# KiCad board Kimiro.kicad_pcb (continued)
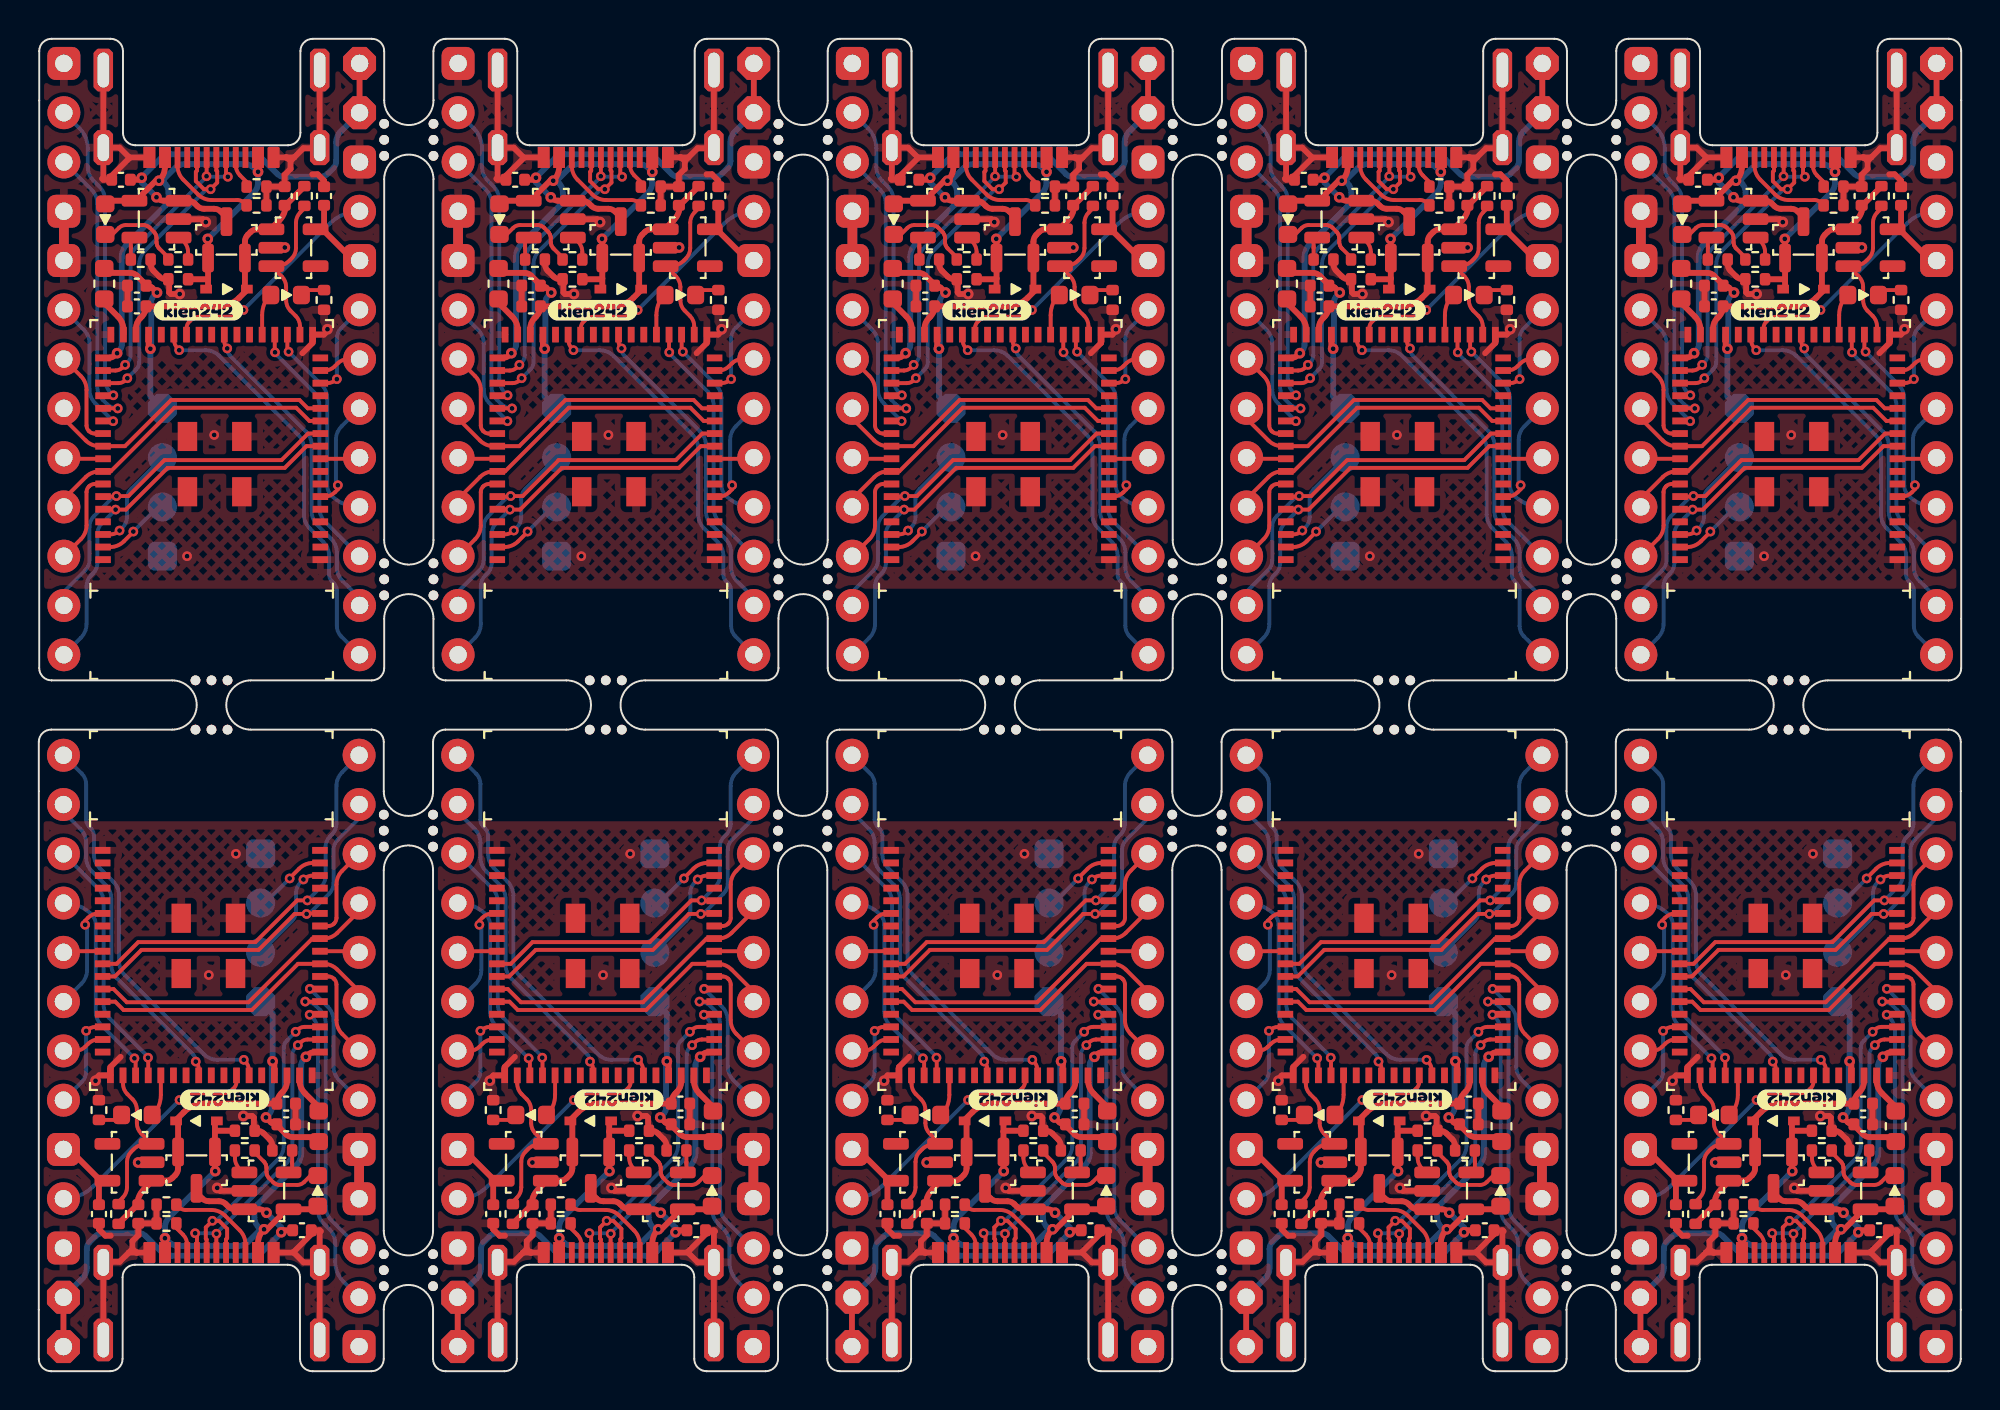
[diagram p0: board, top side]
## Routing (per net, layer and track width the routed paths; a pad name or vN(x,y) marks a point on that pad's centre or on a via; arc(x,y) is an arc through that point) (continued)
021: length 154.6
  Top w0.2: J10.8 21.61,49.1 22.74,47.98 arc(23.06,47.76) 23.45,47.68 U7.42 24.76,47.68 27.14,50.06 33.75,50.06 34.18,49.63 U7.13 ; J3#2.8 1.29,49.1 2.42,47.98 arc(2.74,47.76) 3.13,47.68 U3#2.42 4.44,47.68 6.82,50.06 13.43,50.06 13.86,49.63 U3#2.13 ; U6.13 24.26,19.05 24.69,18.62 31.3,18.62 33.68,21 U6.42 35,21 arc(35.38,20.92) 35.7,20.71 36.83,19.58 J9.8 ; U12.13 44.58,19.05 45.01,18.62 51.62,18.62 54,21 U12.42 55.32,21 arc(55.7,20.92) 56.02,20.71 57.15,19.58 J17.8 ; J34.8 82.57,49.1 83.7,47.98 arc(84.02,47.76) 84.41,47.68 U25.42 85.72,47.68 88.1,50.06 94.71,50.06 95.14,49.63 U25.13 ; J33.8 97.79,19.58 96.66,20.71 arc(96.34,20.92) 95.96,21 U24.42 94.64,21 92.26,18.62 85.65,18.62 85.22,19.05 U24.13 ; J3.8 16.51,19.58 15.38,20.71 arc(15.06,20.92) 14.68,21 U3.42 13.36,21 10.98,18.62 4.37,18.62 3.94,19.05 U3.13 ; J25.8 77.47,19.58 76.34,20.71 arc(76.02,20.92) 75.64,21 U18.42 74.32,21 71.94,18.62 65.33,18.62 64.9,19.05 U18.13 ; U13.13 54.5,49.63 54.07,50.06 47.46,50.06 45.08,47.68 U13.42 43.77,47.68 arc(43.38,47.76) 43.06,47.98 41.93,49.1 J18.8 ; J26.8 62.25,49.1 63.38,47.98 arc(63.7,47.76) 64.09,47.68 U19.42 65.4,47.68 67.78,50.06 74.39,50.06 74.82,49.63 U19.13
022: length 48.3
  Top w0.2: J25.11 76.59,25.79 arc(76.38,25.47) 76.3,25.09 76.3,23.37 arc(76.27,23.21) 76.18,23.08 76.17,23.07 arc(76.04,22.98) 75.88,22.95 U18.45 ; U3#2.45 2.88,45.73 arc(2.72,45.7) 2.59,45.62 2.58,45.6 arc(2.49,45.47) 2.46,45.32 2.46,43.59 arc(2.38,43.21) 2.17,42.89 J3#2.11 ; U25.45 84.16,45.73 arc(84,45.7) 83.87,45.62 83.86,45.6 arc(83.77,45.47) 83.74,45.32 83.74,43.59 arc(83.66,43.21) 83.45,42.89 J34.11 ; U6.45 35.24,22.95 arc(35.4,22.98) 35.53,23.07 35.54,23.08 arc(35.63,23.21) 35.66,23.37 35.66,25.09 arc(35.74,25.47) 35.95,25.79 J9.11 ; U19.45 63.84,45.73 arc(63.68,45.7) 63.55,45.62 63.54,45.6 arc(63.45,45.47) 63.42,45.32 63.42,43.59 arc(63.34,43.21) 63.13,42.89 J26.11 ; U12.45 55.56,22.95 arc(55.72,22.98) 55.85,23.07 55.86,23.08 arc(55.95,23.21) 55.98,23.37 55.98,25.09 arc(56.06,25.47) 56.27,25.79 J17.11 ; J10.11 22.49,42.89 arc(22.7,43.21) 22.78,43.59 22.78,45.32 arc(22.81,45.47) 22.9,45.6 22.91,45.62 arc(23.04,45.7) 23.2,45.73 U7.45 ; U3.45 14.92,22.95 arc(15.08,22.98) 15.21,23.07 15.22,23.08 arc(15.31,23.21) 15.34,23.37 15.34,25.09 arc(15.42,25.47) 15.63,25.79 J3.11 ; U13.45 43.52,45.73 arc(43.36,45.7) 43.23,45.62 43.22,45.6 arc(43.13,45.47) 43.1,45.32 43.1,43.59 arc(43.02,43.21) 42.81,42.89 J18.11 ; U24.45 96.2,22.95 arc(96.36,22.98) 96.49,23.07 96.5,23.08 arc(96.59,23.21) 96.62,23.37 96.62,25.09 arc(96.7,25.47) 96.91,25.79 J33.11
023: length 20.4
  Top w0.2: U18.43 77.41,21.65 J25.9 ; U13.43 41.99,47.03 J18.9 ; J10.9 21.67,47.03 U7.43 ; U12.43 57.09,21.65 J17.9 ; J9.9 36.77,21.65 U6.43 ; U25.43 82.63,47.03 J34.9 ; U19.43 62.31,47.03 J26.9 ; U3.43 16.45,21.65 J3.9 ; J3#2.9 1.35,47.03 U3#2.43 ; U24.43 97.73,21.65 J33.9
024: length 193.1
  Top w0.2: U18.11 64.88,20.35 66.25,21.72 72.29,21.72 74.14,23.57 v2(74.76,23.57) 74.79,23.6 U18.46 ; U19.11 74.84,48.33 73.47,46.96 67.43,46.96 65.58,45.11 v2(64.96,45.11) 64.93,45.08 U19.46 ; U3.11 3.92,20.35 5.29,21.72 11.33,21.72 13.18,23.57 v2(13.8,23.57) 13.83,23.6 U3.46 ; U24.46 95.11,23.6 v2(95.08,23.57) 94.46,23.57 92.61,21.72 86.57,21.72 85.2,20.35 U24.11 ; U6.46 34.15,23.6 v2(34.12,23.57) 33.5,23.57 31.65,21.72 25.61,21.72 24.24,20.35 U6.11 ; U25.46 85.25,45.08 v2(85.28,45.11) 85.9,45.11 87.75,46.96 93.79,46.96 95.16,48.33 U25.11 ; U12.46 54.47,23.6 v2(54.44,23.57) 53.82,23.57 51.97,21.72 45.93,21.72 44.56,20.35 U12.11 ; U7.46 24.29,45.08 v2(24.32,45.11) 24.94,45.11 26.79,46.96 32.83,46.96 34.2,48.33 U7.11 ; U3#2.46 3.97,45.08 v2(4,45.11) 4.62,45.11 6.47,46.96 12.51,46.96 13.88,48.33 U3#2.11 ; U13.46 44.61,45.08 v2(44.64,45.11) 45.26,45.11 47.11,46.96 53.15,46.96 54.52,48.33 U13.11
  Bottom w0.2: v2(54.44,23.57) 54.56,23.57 55.61,24.62 arc(55.77,24.86) 55.83,25.15 55.83,26.87 arc(55.89,27.15) 56.05,27.4 57.15,28.5 J17.12 ; J3#2.12 1.29,40.18 2.39,41.28 arc(2.55,41.53) 2.61,41.81 2.61,43.53 arc(2.67,43.82) 2.83,44.06 3.88,45.11 v2(4,45.11) ; v2(13.8,23.57) 13.92,23.57 14.97,24.62 arc(15.13,24.86) 15.19,25.15 15.19,26.87 arc(15.25,27.15) 15.41,27.4 16.51,28.5 J3.12 ; v2(95.08,23.57) 95.2,23.57 96.25,24.62 arc(96.41,24.86) 96.47,25.15 96.47,26.87 arc(96.53,27.15) 96.69,27.4 97.79,28.5 J33.12 ; v2(24.32,45.11) 24.2,45.11 23.15,44.06 arc(22.99,43.82) 22.93,43.53 22.93,41.81 arc(22.87,41.53) 22.71,41.28 21.61,40.18 J10.12 ; J25.12 77.47,28.5 76.37,27.4 arc(76.21,27.15) 76.15,26.87 76.15,25.15 arc(76.09,24.86) 75.93,24.62 74.88,23.57 v2(74.76,23.57) ; v2(34.12,23.57) 34.24,23.57 35.29,24.62 arc(35.45,24.86) 35.51,25.15 35.51,26.87 arc(35.57,27.15) 35.73,27.4 36.83,28.5 J9.12 ; J18.12 41.93,40.18 43.03,41.28 arc(43.19,41.53) 43.25,41.81 43.25,43.53 arc(43.31,43.82) 43.47,44.06 44.52,45.11 v2(44.64,45.11) ; v2(85.28,45.11) 85.16,45.11 84.11,44.06 arc(83.95,43.82) 83.89,43.53 83.89,41.81 arc(83.83,41.53) 83.67,41.28 82.57,40.18 J34.12 ; J26.12 62.25,40.18 63.35,41.28 arc(63.51,41.53) 63.57,41.81 63.57,43.53 arc(63.63,43.82) 63.79,44.06 64.84,45.11 v2(64.96,45.11)
100: length 210.1
  Top w0.2: U18.10 64.97,21 66.08,22.12 72.12,22.12 74.27,24.27 v2(74.8,24.27) 74.82,24.25 U18.47 ; U3.47 13.86,24.25 v2(13.84,24.27) 13.31,24.27 11.16,22.12 5.12,22.12 4.01,21 U3.10 ; U25.10 95.07,47.68 93.96,46.56 87.92,46.56 85.77,44.41 v2(85.24,44.41) 85.22,44.43 U25.47 ; U7.10 34.11,47.68 33,46.56 26.96,46.56 24.81,44.41 v2(24.28,44.41) 24.26,44.43 U7.47 ; U24.10 85.29,21 86.4,22.12 92.44,22.12 94.59,24.27 v2(95.12,24.27) 95.14,24.25 U24.47 ; U19.47 64.9,44.43 v2(64.92,44.41) 65.45,44.41 67.6,46.56 73.64,46.56 74.75,47.68 U19.10 ; U3#2.10 13.79,47.68 12.68,46.56 6.64,46.56 4.49,44.41 v2(3.96,44.41) 3.94,44.43 U3#2.47 ; U13.47 44.58,44.43 v2(44.6,44.41) 45.13,44.41 47.28,46.56 53.32,46.56 54.43,47.68 U13.10 ; U12.47 54.5,24.25 v2(54.48,24.27) 53.95,24.27 51.8,22.12 45.76,22.12 44.65,21 U12.10 ; U6.47 34.18,24.25 v2(34.16,24.27) 33.63,24.27 31.48,22.12 25.44,22.12 24.33,21 U6.10
  Bottom w0.2: J3#2.13 2.17,37.81 arc(2.39,38.13) 2.46,38.52 2.46,40.48 arc(2.52,40.76) 2.68,41.01 2.8,41.13 arc(2.96,41.37) 3.02,41.66 3.02,43.17 arc(3.08,43.45) 3.24,43.7 v2(3.96,44.41) ; J9.13 35.95,30.87 arc(35.74,30.55) 35.66,30.17 35.66,28.21 arc(35.6,27.92) 35.44,27.67 35.32,27.55 arc(35.16,27.31) 35.1,27.02 35.1,25.52 arc(35.04,25.23) 34.88,24.99 v2(34.16,24.27) ; J17.13 56.27,30.87 arc(56.06,30.55) 55.98,30.17 55.98,28.21 arc(55.92,27.92) 55.76,27.67 55.64,27.55 arc(55.48,27.31) 55.42,27.02 55.42,25.52 arc(55.36,25.23) 55.2,24.99 v2(54.48,24.27) ; v2(95.12,24.27) 95.84,24.99 arc(96,25.23) 96.06,25.52 96.06,27.02 arc(96.12,27.31) 96.28,27.55 96.4,27.67 arc(96.56,27.92) 96.62,28.21 96.62,30.17 arc(96.7,30.55) 96.91,30.87 J33.13 ; J10.13 22.49,37.81 arc(22.71,38.13) 22.78,38.52 22.78,40.48 arc(22.84,40.76) 23,41.01 23.12,41.13 arc(23.28,41.37) 23.34,41.66 23.34,43.17 arc(23.4,43.45) 23.56,43.7 v2(24.28,44.41) ; J18.13 42.81,37.81 arc(43.03,38.13) 43.1,38.52 43.1,40.48 arc(43.16,40.76) 43.32,41.01 43.44,41.13 arc(43.6,41.37) 43.66,41.66 43.66,43.17 arc(43.72,43.45) 43.88,43.7 v2(44.6,44.41) ; J3.13 15.63,30.87 arc(15.42,30.55) 15.34,30.17 15.34,28.21 arc(15.28,27.92) 15.12,27.67 15,27.55 arc(14.84,27.31) 14.78,27.02 14.78,25.52 arc(14.72,25.23) 14.56,24.99 v2(13.84,24.27) ; J26.13 63.13,37.81 arc(63.35,38.13) 63.42,38.52 63.42,40.48 arc(63.48,40.76) 63.64,41.01 63.76,41.13 arc(63.92,41.37) 63.98,41.66 63.98,43.17 arc(64.04,43.45) 64.2,43.7 v2(64.92,44.41) ; v2(85.24,44.41) 84.52,43.7 arc(84.36,43.45) 84.3,43.17 84.3,41.66 arc(84.24,41.37) 84.08,41.13 83.96,41.01 arc(83.8,40.76) 83.74,40.48 83.74,38.52 arc(83.67,38.13) 83.45,37.81 J34.13 ; J25.13 76.59,30.87 arc(76.38,30.55) 76.3,30.17 76.3,28.21 arc(76.24,27.92) 76.08,27.67 75.96,27.55 arc(75.8,27.31) 75.74,27.02 75.74,25.52 arc(75.68,25.23) 75.52,24.99 v2(74.8,24.27)
108: length 131.5
  Top w0.2: v2(93.45,52.52) 93.44,52.53 U25.21 ; v2(66.59,16.16) 66.6,16.15 U18.21 ; v2(5.63,16.16) 5.64,16.15 U3.21 ; v2(73.13,52.52) 73.12,52.53 U19.21 ; v2(46.27,16.16) 46.28,16.15 U12.21 ; U7.21 32.48,52.53 v2(32.49,52.52) ; U3#2.21 12.16,52.53 v2(12.17,52.52) ; v2(86.91,16.16) 86.92,16.15 U24.21 ; U6.21 25.96,16.15 v2(25.95,16.16) ; U13.21 52.8,52.53 v2(52.81,52.52)
  Bottom w0.2: J19.11 43.68,24.9 arc(43.9,24.57) 43.98,24.19 43.98,18.91 arc(44.05,18.53) 44.27,18.2 46.27,16.21 v2(46.27,16.16) ; v2(73.13,52.52) 73.13,52.47 75.13,50.48 arc(75.35,50.15) 75.42,49.77 75.42,44.49 arc(75.5,44.11) 75.72,43.79 J28.11 ; v2(25.95,16.16) 25.95,16.21 23.95,18.2 arc(23.73,18.53) 23.66,18.91 23.66,24.19 arc(23.58,24.57) 23.36,24.9 J11.11 ; v2(93.45,52.52) 93.45,52.47 95.45,50.48 arc(95.67,50.15) 95.74,49.77 95.74,44.49 arc(95.82,44.11) 96.04,43.79 J36.11 ; J35.11 84.32,24.9 arc(84.54,24.57) 84.62,24.19 84.62,18.91 arc(84.69,18.53) 84.91,18.2 86.91,16.21 v2(86.91,16.16) ; J4#2.11 14.76,43.79 arc(14.54,44.11) 14.46,44.49 14.46,49.77 arc(14.39,50.15) 14.17,50.48 12.17,52.47 v2(12.17,52.52) ; J4.11 3.04,24.9 arc(3.26,24.57) 3.34,24.19 3.34,18.91 arc(3.41,18.53) 3.63,18.2 5.63,16.21 v2(5.63,16.16) ; v2(32.49,52.52) 32.49,52.47 34.49,50.48 arc(34.71,50.15) 34.78,49.77 34.78,44.49 arc(34.86,44.11) 35.08,43.79 J12.11 ; J27.11 64,24.9 arc(64.22,24.57) 64.3,24.19 64.3,18.91 arc(64.37,18.53) 64.59,18.2 66.59,16.21 v2(66.59,16.16) ; v2(52.81,52.52) 52.81,52.47 54.81,50.48 arc(55.03,50.15) 55.1,49.77 55.1,44.49 arc(55.18,44.11) 55.4,43.79 J20.11
D+: length 167.2
  Top w0.2: U24.37 94.98,17.75 arc(94.79,17.71) 94.62,17.6 v2(94.52,17.5) ; U19.37 65.06,50.93 arc(65.25,50.97) 65.42,51.08 v2(65.52,51.19) ; 49.79,62.4 49.79,61.89 49.83,61.85 49.83,61.27 v2(49.49,60.93) 49.15,60.93 48.73,61.35 48.73,61.82 48.79,61.88 J16.B6 ; 70.11,62.4 70.11,61.89 70.15,61.85 70.15,61.27 v2(69.81,60.93) 69.47,60.93 69.05,61.35 69.05,61.82 69.11,61.88 J24.B6 ; 28.97,6.29 28.97,6.79 28.93,6.83 28.93,7.41 v2(29.27,7.75) 29.61,7.75 30.03,7.34 30.03,6.86 29.97,6.8 J7.B6 ; J31.B6 90.93,6.8 90.99,6.86 90.99,7.34 90.57,7.75 v2(90.23,7.75) 89.89,7.41 89.89,6.83 89.93,6.79 89.93,6.29 ; J23.B6 70.61,6.8 70.67,6.86 70.67,7.34 70.25,7.75 v2(69.91,7.75) 69.57,7.41 69.57,6.83 69.61,6.79 69.61,6.29 ; v2(45.2,51.19) 45.1,51.08 arc(44.93,50.97) 44.74,50.93 U13.37 ; v2(24.88,51.19) 24.78,51.08 arc(24.61,50.97) 24.42,50.93 U7.37 ; J15.B6 50.29,6.8 50.35,6.86 50.35,7.34 49.93,7.75 v2(49.59,7.75) 49.25,7.41 49.25,6.83 49.29,6.79 49.29,6.29 ; 90.43,62.4 90.43,61.89 90.47,61.85 90.47,61.27 v2(90.13,60.93) 89.79,60.93 89.37,61.35 89.37,61.82 89.43,61.88 J32.B6 ; U6.37 34.02,17.75 arc(33.83,17.71) 33.66,17.6 v2(33.56,17.5) ; J8.B6 28.47,61.88 28.41,61.82 28.41,61.35 28.83,60.93 v2(29.17,60.93) 29.51,61.27 29.51,61.85 29.47,61.89 29.47,62.4 ; v2(13.24,17.5) 13.34,17.6 arc(13.51,17.71) 13.7,17.75 U3.37 ; U25.37 85.38,50.93 arc(85.57,50.97) 85.74,51.08 v2(85.84,51.19) ; v2(53.88,17.5) 53.98,17.6 arc(54.15,17.71) 54.34,17.75 U12.37 ; 8.65,6.29 8.65,6.79 8.61,6.83 8.61,7.41 v2(8.95,7.75) 9.29,7.75 9.71,7.34 9.71,6.86 9.65,6.8 J2.B6 ; J2#2.B6 8.15,61.88 8.09,61.82 8.09,61.35 8.51,60.93 v2(8.85,60.93) 9.19,61.27 9.19,61.85 9.15,61.89 9.15,62.4 ; U3#2.37 4.1,50.93 arc(4.29,50.97) 4.46,51.08 v2(4.56,51.19) ; U18.37 74.66,17.75 arc(74.47,17.71) 74.3,17.6 v2(74.2,17.5)
  Bottom w0.2: v2(8.85,60.93) 8.64,60.93 5.47,57.76 arc(5.25,57.43) 5.18,57.05 5.18,52.01 arc(5.14,51.82) 5.03,51.65 v2(4.56,51.19) ; v2(85.84,51.19) 86.31,51.65 arc(86.42,51.82) 86.46,52.01 86.46,57.05 arc(86.53,57.43) 86.75,57.76 89.92,60.93 v2(90.13,60.93) ; v2(90.23,7.75) 90.44,7.75 93.61,10.93 arc(93.83,11.25) 93.9,11.63 93.9,16.68 arc(93.94,16.87) 94.05,17.03 v2(94.52,17.5) ; v2(8.95,7.75) 9.16,7.75 12.33,10.93 arc(12.55,11.25) 12.62,11.63 12.62,16.68 arc(12.66,16.87) 12.77,17.03 v2(13.24,17.5) ; v2(49.59,7.75) 49.8,7.75 52.97,10.93 arc(53.19,11.25) 53.26,11.63 53.26,16.68 arc(53.3,16.87) 53.41,17.03 v2(53.88,17.5) ; v2(29.27,7.75) 29.48,7.75 32.65,10.93 arc(32.87,11.25) 32.94,11.63 32.94,16.68 arc(32.98,16.87) 33.09,17.03 v2(33.56,17.5) ; v2(29.17,60.93) 28.96,60.93 25.79,57.76 arc(25.57,57.43) 25.5,57.05 25.5,52.01 arc(25.46,51.82) 25.35,51.65 v2(24.88,51.19) ; v2(49.49,60.93) 49.28,60.93 46.11,57.76 arc(45.89,57.43) 45.82,57.05 45.82,52.01 arc(45.78,51.82) 45.67,51.65 v2(45.2,51.19) ; v2(65.52,51.19) 65.99,51.65 arc(66.1,51.82) 66.14,52.01 66.14,57.05 arc(66.21,57.43) 66.43,57.76 69.6,60.93 v2(69.81,60.93) ; v2(69.91,7.75) 70.12,7.75 73.29,10.93 arc(73.51,11.25) 73.58,11.63 73.58,16.68 arc(73.62,16.87) 73.73,17.03 v2(74.2,17.5)
D-: length 156.6
  Top w0.2: v2(49.28,61.6) 49.29,61.6 49.29,62.4 ; v2(65.41,51.88) 65.26,51.73 arc(65.1,51.62) 64.91,51.58 U19.36 ; v2(69.6,61.6) 69.61,61.6 69.61,62.4 ; v2(74.31,16.81) 74.46,16.95 arc(74.62,17.06) 74.81,17.1 U18.36 ; U3.36 13.85,17.1 arc(13.66,17.06) 13.5,16.95 v2(13.35,16.81) ; 49.79,6.29 49.79,7.08 v2(49.8,7.09) ; 9.15,6.29 9.15,7.08 v2(9.16,7.09) ; v2(33.67,16.81) 33.82,16.95 arc(33.98,17.06) 34.17,17.1 U6.36 ; U3#2.36 3.95,51.58 arc(4.14,51.62) 4.3,51.73 v2(4.45,51.88) ; 29.97,62.4 29.98,62.39 arc(29.98,62.38) 29.99,62.37 ; 90.43,6.29 90.43,7.08 v2(90.44,7.09) ; v2(70.12,7.09) 70.11,7.08 70.11,6.29 ; J24.B7 70.61,61.66 v2(70.7,61.57) 70.63,61.65 ; 9.65,62.4 9.66,62.39 arc(9.66,62.38) 9.67,62.37 ; J31.B7 89.43,7.02 v2(89.34,7.11) 89.41,7.03 ; 69.11,6.29 69.1,6.29 arc(69.1,6.3) 69.09,6.31 ; 28.97,62.4 28.97,61.6 v2(28.96,61.6) ; J23.B7 69.11,7.02 v2(69.02,7.11) 69.09,7.03 ; 50.31,61.65 v2(50.38,61.57) 50.29,61.66 J16.B7 ; U24.36 95.13,17.1 arc(94.94,17.06) 94.78,16.95 v2(94.63,16.81) ; 90.93,62.4 90.94,62.39 arc(90.94,62.38) 90.95,62.37 ; 50.29,62.4 50.3,62.39 arc(50.3,62.38) 50.31,62.37 ; 8.13,7.03 v2(8.06,7.11) 8.15,7.02 J2.B7 ; 8.15,6.29 8.14,6.29 arc(8.14,6.3) 8.13,6.31 ; J2#2.B7 9.65,61.66 v2(9.74,61.57) 9.67,61.65 ; 70.61,62.4 70.62,62.39 arc(70.62,62.38) 70.63,62.37 ; v2(24.77,51.88) 24.62,51.73 arc(24.46,51.62) 24.27,51.58 U7.36 ; v2(29.48,7.09) 29.47,7.08 29.47,6.29 ; U13.36 44.59,51.58 arc(44.78,51.62) 44.94,51.73 v2(45.09,51.88) ; U12.36 54.49,17.1 arc(54.3,17.06) 54.14,16.95 v2(53.99,16.81) ; v2(8.64,61.6) 8.65,61.6 8.65,62.4 ; 89.93,62.4 89.93,61.6 v2(89.92,61.6) ; J8.B7 29.97,61.66 v2(30.06,61.57) 29.99,61.65 ; U25.36 85.23,51.58 arc(85.42,51.62) 85.58,51.73 v2(85.73,51.88) ; J15.B7 48.79,7.02 v2(48.7,7.11) 48.77,7.03 ; 89.43,6.29 89.42,6.29 arc(89.42,6.3) 89.41,6.31 ; 90.95,61.65 v2(91.02,61.57) 90.93,61.66 J32.B7 ; J7.B7 28.47,7.02 v2(28.38,7.11) 28.45,7.03 ; 28.47,6.29 28.46,6.29 arc(28.46,6.3) 28.45,6.31 ; 48.79,6.29 48.78,6.29 arc(48.78,6.3) 48.77,6.31
  Bottom w0.2: 49.8,7.12 53.42,10.74 arc(53.64,11.06) 53.71,11.45 53.71,16.32 arc(53.75,16.51) 53.86,16.68 v2(53.99,16.81) ; 89.95,61.57 v2(91.02,61.57) ; 90.41,7.11 v2(89.34,7.11) ; 70.09,7.11 v2(69.02,7.11) ; 69.63,61.57 v2(70.7,61.57) ; v2(45.09,51.88) 45.22,52.01 arc(45.33,52.17) 45.37,52.36 45.37,57.23 arc(45.44,57.62) 45.66,57.94 49.28,61.57 ; 9.13,7.11 v2(8.06,7.11) ; 90.44,7.12 94.06,10.74 arc(94.28,11.06) 94.35,11.45 94.35,16.32 arc(94.39,16.51) 94.5,16.68 v2(94.63,16.81) ; 29.48,7.12 33.1,10.74 arc(33.32,11.06) 33.39,11.45 33.39,16.32 arc(33.43,16.51) 33.54,16.68 v2(33.67,16.81) ; 9.16,7.12 12.78,10.74 arc(13,11.06) 13.07,11.45 13.07,16.32 arc(13.11,16.51) 13.22,16.68 v2(13.35,16.81) ; v2(74.31,16.81) 74.18,16.68 arc(74.07,16.51) 74.03,16.32 74.03,11.45 arc(73.96,11.06) 73.74,10.74 70.12,7.12 ; 49.31,61.57 v2(50.38,61.57) ; v2(85.73,51.88) 85.86,52.01 arc(85.97,52.17) 86.01,52.36 86.01,57.23 arc(86.08,57.62) 86.3,57.94 89.92,61.57 ; 28.99,61.57 v2(30.06,61.57) ; v2(4.45,51.88) 4.58,52.01 arc(4.69,52.17) 4.73,52.36 4.73,57.23 arc(4.8,57.62) 5.02,57.94 8.64,61.57 ; 28.96,61.57 25.34,57.94 arc(25.12,57.62) 25.05,57.23 25.05,52.36 arc(25.01,52.17) 24.9,52.01 v2(24.77,51.88) ; 69.6,61.57 65.98,57.94 arc(65.76,57.62) 65.69,57.23 65.69,52.36 arc(65.65,52.17) 65.54,52.01 v2(65.41,51.88) ; 49.77,7.11 v2(48.7,7.11) ; 8.67,61.57 v2(9.74,61.57) ; 29.45,7.11 v2(28.38,7.11)
DCCH: length 22.1
  Top w0.3: L1.1 3.37,55.07 4.08,54.36 arc(4.29,54.05) 4.36,53.68 U3#2.33 ; U7.33 24.68,53.68 arc(24.61,54.05) 24.4,54.36 23.69,55.07 L3.1 ; U6.33 33.76,15 arc(33.83,14.63) 34.04,14.32 34.75,13.61 L2.1 ; L5.1 44.01,55.07 44.72,54.36 arc(44.93,54.05) 45,53.68 U13.33 ; U18.33 74.4,15 arc(74.47,14.63) 74.68,14.32 75.39,13.61 L6.1 ; U12.33 54.08,15 arc(54.15,14.63) 54.36,14.32 55.07,13.61 L4.1 ; U24.33 94.72,15 arc(94.79,14.63) 95,14.32 95.71,13.61 L8.1 ; U19.33 65.32,53.68 arc(65.25,54.05) 65.04,54.36 64.33,55.07 L7.1 ; L1#2.1 14.43,13.61 13.72,14.32 arc(13.51,14.63) 13.44,15 U3.33 ; L9.1 84.65,55.07 85.36,54.36 arc(85.57,54.05) 85.64,53.68 U25.33
LED: length 22.7
  Top w0.2: U18.22 67.25,14.25 arc(67.13,13.63) 66.78,13.11 ; U24.22 87.57,14.25 arc(87.45,13.63) 87.1,13.11 ; U13.22 52.15,54.43 arc(52.27,55.05) 52.62,55.58 ; U25.22 92.79,54.43 arc(92.91,55.05) 93.26,55.58 ; U19.22 72.47,54.43 arc(72.59,55.05) 72.94,55.58 ; U6.22 26.61,14.25 arc(26.49,13.63) 26.14,13.11 ; U3.22 6.29,14.25 arc(6.17,13.63) 5.82,13.11 ; U3#2.22 11.51,54.43 arc(11.63,55.05) 11.98,55.58 ; U12.22 46.93,14.25 arc(46.81,13.63) 46.46,13.11 ; U7.22 31.83,54.43 arc(31.95,55.05) 32.3,55.58
POWER_PIN: length 81.9
  Top w0.2: U3.19 4.34,14.82 arc(4.4,14.53) 4.56,14.29 4.83,14.01 arc(5,13.77) 5.05,13.48 5.05,12.79 arc(5.11,12.5) 5.27,12.26 U4.3 5.58,11.72 arc(5.2,11.64) 4.87,11.43 4.77,11.32 arc(4.6,11.08) 4.55,10.79 4.55,9.48 arc(4.49,9.19) 4.33,8.95 4.01,8.63 4.01,8.59 ; U19.19 74.42,53.86 arc(74.36,54.15) 74.2,54.39 73.93,54.67 arc(73.76,54.91) 73.71,55.2 73.71,55.89 arc(73.65,56.18) 73.49,56.43 U21.3 73.18,56.96 arc(73.56,57.04) 73.89,57.25 73.99,57.36 arc(74.16,57.61) 74.21,57.89 74.21,59.2 arc(74.27,59.49) 74.43,59.73 74.75,60.05 74.75,60.1 ; 24.33,8.59 24.33,8.63 24.65,8.95 arc(24.81,9.19) 24.87,9.48 24.87,10.79 arc(24.92,11.08) 25.09,11.32 25.19,11.43 arc(25.52,11.64) 25.9,11.72 U8.3 25.59,12.26 arc(25.43,12.5) 25.37,12.79 25.37,13.48 arc(25.32,13.77) 25.15,14.01 24.88,14.29 arc(24.72,14.53) 24.66,14.82 U6.19 ; 64.97,8.59 64.97,8.63 65.29,8.95 arc(65.45,9.19) 65.51,9.48 65.51,10.79 arc(65.56,11.08) 65.73,11.32 65.83,11.43 arc(66.16,11.64) 66.54,11.72 U20.3 66.23,12.26 arc(66.07,12.5) 66.01,12.79 66.01,13.48 arc(65.96,13.77) 65.79,14.01 65.52,14.29 arc(65.36,14.53) 65.3,14.82 U18.19 ; 34.11,60.1 34.11,60.05 33.79,59.73 arc(33.63,59.49) 33.57,59.2 33.57,57.89 arc(33.52,57.61) 33.35,57.36 33.25,57.25 arc(32.92,57.04) 32.54,56.96 U9.3 32.85,56.43 arc(33.01,56.18) 33.07,55.89 33.07,55.2 arc(33.12,54.91) 33.29,54.67 33.56,54.39 arc(33.72,54.15) 33.78,53.86 U7.19 ; 85.29,8.59 85.29,8.63 85.61,8.95 arc(85.77,9.19) 85.83,9.48 85.83,10.79 arc(85.88,11.08) 86.05,11.32 86.15,11.43 arc(86.48,11.64) 86.86,11.72 U26.3 86.55,12.26 arc(86.39,12.5) 86.33,12.79 86.33,13.48 arc(86.28,13.77) 86.11,14.01 85.84,14.29 arc(85.68,14.53) 85.62,14.82 U24.19 ; 13.79,60.1 13.79,60.05 13.47,59.73 arc(13.31,59.49) 13.25,59.2 13.25,57.89 arc(13.2,57.61) 13.03,57.36 12.93,57.25 arc(12.6,57.04) 12.22,56.96 U4#2.3 12.53,56.43 arc(12.69,56.18) 12.75,55.89 12.75,55.2 arc(12.8,54.91) 12.97,54.67 13.24,54.39 arc(13.4,54.15) 13.46,53.86 U3#2.19 ; 95.07,60.1 95.07,60.05 94.75,59.73 arc(94.59,59.49) 94.53,59.2 94.53,57.89 arc(94.48,57.61) 94.31,57.36 94.21,57.25 arc(93.88,57.04) 93.5,56.96 U27.3 93.81,56.43 arc(93.97,56.18) 94.03,55.89 94.03,55.2 arc(94.08,54.91) 94.25,54.67 94.52,54.39 arc(94.68,54.15) 94.74,53.86 U25.19 ; 54.43,60.1 54.43,60.05 54.11,59.73 arc(53.95,59.49) 53.89,59.2 53.89,57.89 arc(53.84,57.61) 53.67,57.36 53.57,57.25 arc(53.24,57.04) 52.86,56.96 U15.3 53.17,56.43 arc(53.33,56.18) 53.39,55.89 53.39,55.2 arc(53.44,54.91) 53.61,54.67 53.88,54.39 arc(54.04,54.15) 54.1,53.86 U13.19 ; 44.65,8.59 44.65,8.63 44.97,8.95 arc(45.13,9.19) 45.19,9.48 45.19,10.79 arc(45.24,11.08) 45.41,11.32 45.51,11.43 arc(45.84,11.64) 46.22,11.72 U14.3 45.91,12.26 arc(45.75,12.5) 45.69,12.79 45.69,13.48 arc(45.64,13.77) 45.47,14.01 45.2,14.29 arc(45.04,14.53) 44.98,14.82 U12.19
RST: length 116.8
  Top w0.2: U19.28 68.57,53.75 arc(68.61,53.94) 68.72,54.1 68.75,54.14 arc(68.99,54.3) 69.28,54.36 70.85,54.36 arc(71.14,54.41) 71.38,54.58 v2(71.51,54.7) ; U18.28 71.15,14.93 arc(71.11,14.74) 71,14.58 70.97,14.55 arc(70.73,14.38) 70.44,14.33 68.87,14.33 arc(68.59,14.27) 68.34,14.11 v2(68.22,13.98) ; v2(7.26,13.98) 7.38,14.11 arc(7.63,14.27) 7.91,14.33 9.48,14.33 arc(9.77,14.38) 10.01,14.55 10.04,14.58 arc(10.15,14.74) 10.19,14.93 U3.28 ; U24.28 91.47,14.93 arc(91.43,14.74) 91.32,14.58 91.29,14.55 arc(91.05,14.38) 90.76,14.33 89.19,14.33 arc(88.91,14.27) 88.66,14.11 v2(88.54,13.98) ; v2(30.87,54.7) 30.74,54.58 arc(30.5,54.41) 30.21,54.36 28.64,54.36 arc(28.35,54.3) 28.11,54.14 28.08,54.1 arc(27.97,53.94) 27.93,53.75 U7.28 ; v2(91.83,54.7) 91.7,54.58 arc(91.46,54.41) 91.17,54.36 89.6,54.36 arc(89.31,54.3) 89.07,54.14 89.04,54.1 arc(88.93,53.94) 88.89,53.75 U25.28 ; v2(51.19,54.7) 51.06,54.58 arc(50.82,54.41) 50.53,54.36 48.96,54.36 arc(48.67,54.3) 48.43,54.14 48.4,54.1 arc(48.29,53.94) 48.25,53.75 U13.28 ; U3#2.28 7.61,53.75 arc(7.65,53.94) 7.76,54.1 7.79,54.14 arc(8.03,54.3) 8.32,54.36 9.89,54.36 arc(10.18,54.41) 10.42,54.58 v2(10.55,54.7) ; U6.28 30.51,14.93 arc(30.47,14.74) 30.36,14.58 30.33,14.55 arc(30.09,14.38) 29.8,14.33 28.23,14.33 arc(27.95,14.27) 27.7,14.11 v2(27.58,13.98) ; v2(47.9,13.98) 48.02,14.11 arc(48.27,14.27) 48.55,14.33 50.12,14.33 arc(50.41,14.38) 50.65,14.55 50.68,14.58 arc(50.79,14.74) 50.83,14.93 U12.28
  Bottom w0.2: v2(91.83,54.7) 96.28,59.16 arc(96.98,59.63) J36.4 ; v2(10.55,54.7) 15,59.16 arc(15.7,59.63) J4#2.4 ; v2(71.51,54.7) 75.96,59.16 arc(76.66,59.63) J28.4 ; v2(7.26,13.98) 2.8,9.52 arc(2.1,9.05) J4.4 ; v2(88.54,13.98) 84.08,9.52 arc(83.38,9.05) J35.4 ; v2(68.22,13.98) 63.76,9.52 arc(63.06,9.05) J27.4 ; v2(30.87,54.7) 35.32,59.16 arc(36.02,59.63) J12.4 ; v2(27.58,13.98) 23.12,9.52 arc(22.42,9.05) J11.4 ; v2(51.19,54.7) 55.64,59.16 arc(56.34,59.63) J20.4 ; v2(47.9,13.98) 43.44,9.52 arc(42.74,9.05) J19.4
SWCLK: length 38.8
  Top w0.2: U7.50 23.99,42.48 arc(24.38,42.56) 24.7,42.78 25.19,43.27 v2(25.19,43.28) ; v2(65.83,43.28) 65.83,43.27 65.34,42.78 arc(65.02,42.56) 64.63,42.48 U19.50 ; v2(94.21,25.4) 94.21,25.42 94.7,25.91 arc(95.02,26.12) 95.41,26.2 U24.50 ; U18.50 75.09,26.2 arc(74.7,26.12) 74.38,25.91 73.89,25.42 v2(73.89,25.4) ; U6.50 34.45,26.2 arc(34.06,26.12) 33.74,25.91 33.25,25.42 v2(33.25,25.4) ; v2(53.57,25.4) 53.57,25.42 54.06,25.91 arc(54.38,26.12) 54.77,26.2 U12.50 ; U13.50 44.31,42.48 arc(44.7,42.56) 45.02,42.78 45.51,43.27 v2(45.51,43.28) ; v2(86.15,43.28) 86.15,43.27 85.66,42.78 arc(85.34,42.56) 84.95,42.48 U25.50 ; v2(4.87,43.28) 4.87,43.27 4.38,42.78 arc(4.06,42.56) 3.67,42.48 U3#2.50 ; v2(12.93,25.4) 12.93,25.42 13.42,25.91 arc(13.74,26.12) 14.13,26.2 U3.50
  Bottom w0.2: J29.2 92.94,24.13 v2(94.21,25.4) ; J13.2 52.3,24.13 v2(53.57,25.4) ; J1#2.2 6.14,44.55 v2(4.87,43.28) ; J14.2 46.78,44.55 v2(45.51,43.28) ; J30.2 87.42,44.55 v2(86.15,43.28) ; J5.2 31.98,24.13 v2(33.25,25.4) ; v2(65.83,43.28) 67.1,44.55 J22.2 ; J1.2 11.66,24.13 v2(12.93,25.4) ; v2(73.89,25.4) 72.62,24.13 J21.2 ; J6.2 26.46,44.55 v2(25.19,43.28)
SWDIO: length 55.1
  Top w0.2: U3#2.49 3.68,43.13 arc(3.94,43.18) v2(4.16,43.33) ; U13.49 44.32,43.13 arc(44.58,43.18) v2(44.8,43.33) ; U19.49 64.64,43.13 arc(64.9,43.18) v2(65.12,43.33) ; U7.49 24,43.13 arc(24.26,43.18) v2(24.48,43.33) ; U3.49 14.12,25.55 arc(13.86,25.5) v2(13.64,25.35) ; U12.49 54.76,25.55 arc(54.5,25.5) v2(54.28,25.35) ; U18.49 75.08,25.55 arc(74.82,25.5) v2(74.6,25.35) ; U24.49 95.4,25.55 arc(95.14,25.5) v2(94.92,25.35) ; U6.49 34.44,25.55 arc(34.18,25.5) v2(33.96,25.35) ; U25.49 84.96,43.13 arc(85.22,43.18) v2(85.44,43.33)
  Bottom w0.2: v2(44.8,43.33) 44.96,43.49 arc(45.13,43.74) 45.18,44.02 45.18,44.95 arc(45.24,45.24) 45.4,45.48 J14.3 ; J1#2.3 4.76,45.48 arc(4.6,45.24) 4.54,44.95 4.54,44.02 arc(4.49,43.74) 4.32,43.49 v2(4.16,43.33) ; v2(74.6,25.35) 74.44,25.19 arc(74.28,24.94) 74.22,24.66 74.22,23.73 arc(74.16,23.44) 74,23.2 J21.3 ; J5.3 33.36,23.2 arc(33.52,23.44) 33.58,23.73 33.58,24.66 arc(33.64,24.94) 33.8,25.19 v2(33.96,25.35) ; v2(65.12,43.33) 65.28,43.49 arc(65.45,43.74) 65.5,44.02 65.5,44.95 arc(65.56,45.24) 65.72,45.48 J22.3 ; J1.3 13.04,23.2 arc(13.2,23.44) 13.26,23.73 13.26,24.66 arc(13.32,24.94) 13.48,25.19 v2(13.64,25.35) ; J6.3 25.08,45.48 arc(24.92,45.24) 24.86,44.95 24.86,44.02 arc(24.81,43.74) 24.64,43.49 v2(24.48,43.33) ; J13.3 53.68,23.2 arc(53.84,23.44) 53.9,23.73 53.9,24.66 arc(53.96,24.94) 54.12,25.19 v2(54.28,25.35) ; v2(94.92,25.35) 94.76,25.19 arc(94.6,24.94) 94.54,24.66 94.54,23.73 arc(94.48,23.44) 94.32,23.2 J29.3 ; J30.3 86.04,45.48 arc(85.88,45.24) 85.82,44.95 85.82,44.02 arc(85.77,43.74) 85.6,43.49 v2(85.44,43.33)
